# KiCad board Boston-keyboard-V06-1J.kicad_pcb (continued)
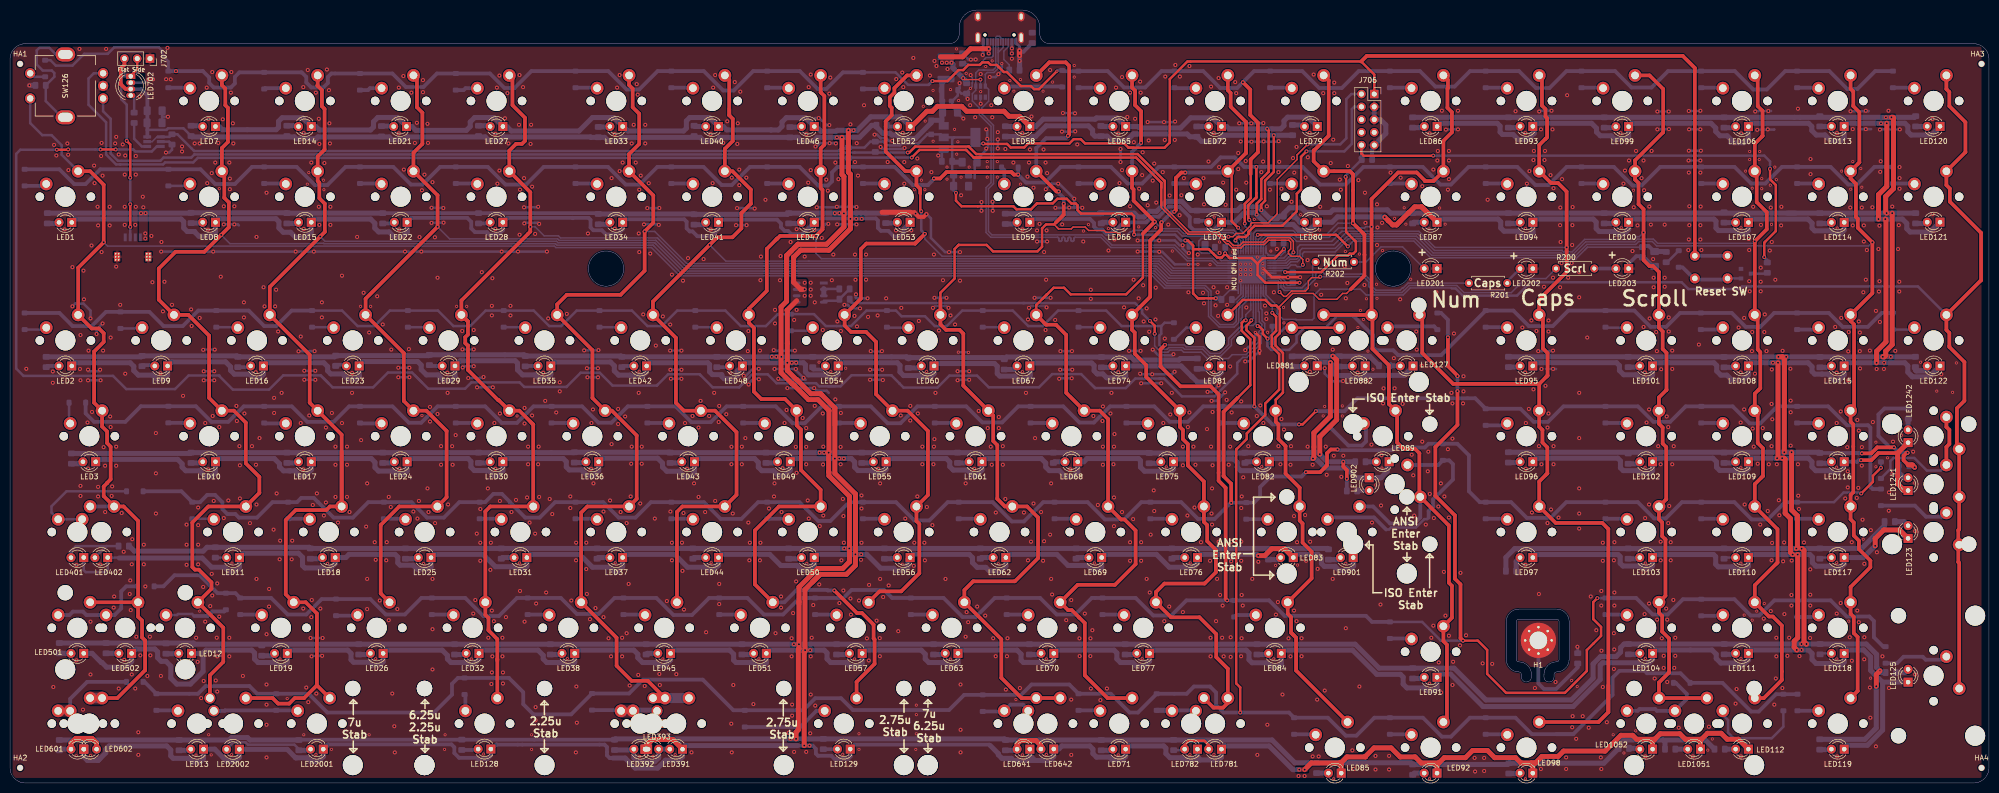
[diagram p0: board, top side]
## Routing (per net, layer and track width the routed paths; a pad name or vN(x,y) marks a point on that pad's centre or on a via; arc(x,y) is an arc through that point) (continued)
  vias: v1(156.3,83.58) v1(158,99.47) v1(158,98.16) v1(158,96.88) v1(168.25,112.17) v1(169.35,112.17)
NRST: length 147.9
  Top w0.5: J706.10 268.71,125.16 269.15,124.72 282.95,124.72 v1(282.98,124.75) ; v1(265.55,120.53) 265.65,120.42 265.65,109.58 267.6,107.62 ; 267.6,107.62 267.6,105.78 267.08,105.25 266.37,105.25 265.98,104.86 264.01,104.86 260.73,101.58 v1(253.53,101.58) ; 267.6,107.62 267.27,107.95 ; v1(348.8,104.58) 348.8,107.45 351.1,109.75 351.1,118.9 349.95,120.05 v1(349.95,122.1)
  Bottom w0.3: U701.7 253.24,101.88 v1(253.53,101.58)
  Bottom w0.5: C702.1 265.55,120.78 v1(265.55,120.53) ; R703.1 349.4,103.97 v1(348.8,104.58) ; v1(282.98,124.75) 348.8,124.75 349.95,123.6 v1(349.95,122.1)
  Bottom w0.75: J706.10 268.77,126.78 C702.1 268.48,124.3
NUM_INDICATOR: length 17
  Bottom w0.3: LED201.2 276.88,106.6 272.6,106.6 269.6,103.6 R202.1
RGBLED: length 371.4
  Top w0.5: v1(11.55,125.97) 11.5,125.92 v1(9.3,125.92) ; v1(18,125.97) v1(21,125.97)
  Bottom w0.3: U701.15 248.71,94.34 248.95,94.1 248.95,91.9 249.48,91.38 249.48,90.15 249.45,90.15 248.77,89.47 248.77,87.45 245.95,84.62 245.1,84.62 244.45,83.97
  Bottom w0.5: 80.49,81.06 81.9,79.65 ; 110.62,78.75 110.72,78.85 ; 110.62,78.75 113.45,81.57 117.25,81.57 119.8,79.03 128.59,79.03 ; 110.62,78.75 102.22,78.75 101.32,79.65 91.72,79.65 90.49,78.41 83.14,78.41 79.94,81.61 75.14,81.61 72.19,78.66 64.14,78.66 61.75,81.05 54.32,81.05 51.5,78.22 44.3,78.22 41.6,80.92 41.6,81.03 35.5,81.03 32.8,78.33 23.1,78.33 20.47,80.95 2.67,80.95 1.23,82.4 1.23,125.1 2.05,125.92 v1(9.3,125.92) ; 144.97,78.67 146.05,79.75 ; 144.97,78.67 147.56,81.26 150.64,81.26 152.4,79.5 160.25,79.5 160.88,78.88 162.73,78.88 ; 144.97,78.67 139.7,78.67 137.1,81.28 ; 175.22,81.08 167.32,81.08 165.12,78.88 162.73,78.88 ; 175.22,81.08 176.82,79.47 176.82,79.45 177.65,78.62 184.4,78.62 186.78,81.01 192.27,81.01 194.6,78.67 204.59,78.67 207.22,81.31 212.97,81.31 215.75,78.53 ; 175.22,81.08 175.31,80.99 ; 228.55,80.42 228.85,80.42 ; 228.55,80.42 223.75,80.42 221.85,78.53 215.75,78.53 ; 228.55,80.42 229.45,80.42 233,76.88 239.5,76.88 244,81.38 244,83.53 244.45,83.97 ; 162.73,78.88 164,78.88 ; 29.92,126.53 U705.3 29.18,126.58 28.17,125.58 24.9,125.58 24.5,125.97 v1(21,125.97) 21.65,125.97 ; 128.59,79.03 130.85,81.28 137.1,81.28 ; 128.59,79.03 128.8,79.23 ; 137.1,81.28 137.38,80.99 ; 215.75,78.53 214.8,79.47 ; 61.78,81.02 63.38,79.42 ; v1(11.55,125.97) v1(18,125.97)
Row1: length 461.4
  Top w0.5: v1(245.5,111.25) 245.5,115.15 246.68,116.33 246.68,121.11 ; v2(208.16,141.56) 205.18,138.57 205.18,138.56 204.6,137.97 203.6,137.97 203,138.57 201,138.57 198.2,141.38 197.6,141.38 196.55,142.43 ; 196.55,142.43 196.18,142.8 194.97,142.8 194.48,143.28 193.33,143.28 192.84,142.8 190.54,142.8 189.5,141.76 188.59,141.76 186.4,139.57 v1(183.4,139.57) ; 196.55,142.43 196.8,142.18
  Top w0.75: v1(245.14,139.34) 246.6,137.88 246.6,132.82 248.12,131.3 248.12,125.42 246.68,123.98 246.68,121.11 ; 32.98,141.56 v1(32.99,141.56)
  Bottom w0.3: U701.41 246.21,110.09 245.5,110.8 v1(245.5,111.25)
  Bottom w0.5: D126.1 8.02,143.72 9.1,142.65 12.4,142.65 14.75,145 19.42,145 ; v2(208.16,141.56) 208.31,141.7 D58.1 ; 31.48,143.5 31.48,142.2 ; 31.48,143.5 D7.1 ; 31.48,143.5 30.25,144.72 30.25,145.62 29.6,146.28 20.7,146.28 19.42,145 ; 19.42,145 19.22,145 ; 182.65,138.82 183,139.18 ; 182.65,138.82 178.55,138.82 176.07,141.31 D52.1 ; 182.65,138.82 v1(183.4,139.57)
  Bottom w0.75: 209.4,141.55 212.44,141.55 D65.1 218.24,141.56 221.5,138.3 225.7,138.3 228.96,141.56 D72.1 237.24,141.56 240.6,138.2 244,138.2 v1(245.14,139.34) 247.36,141.56 D79.1 256.94,141.56 260.3,138.2 264.8,138.2 268.16,141.56 D86.1 280.34,141.56 283.42,138.48 287.23,138.48 290.3,141.56 D93.1 300.04,141.56 303.4,138.2 306.1,138.2 309.46,141.56 D99.1 319.14,141.56 322.4,138.3 326.4,138.3 329.66,141.56 D106.1 342.94,141.56 346.6,137.9 349.3,137.9 352.96,141.56 D113.1 361.74,141.56 365.3,138 367.3,138 370.86,141.56 D120.1 ; D52.1 165.61,141.31 162.3,138 160.6,138 157.04,141.56 D46.1 147.76,141.56 143.9,137.7 141.8,137.7 137.94,141.56 D40.1 128.76,141.56 125.1,137.9 122.6,137.9 118.94,141.56 D33.1 103.66,141.56 100.3,138.2 98.3,138.2 95.41,141.09 D27.1 84.88,141.09 82.2,138.4 78.7,138.4 76.01,141.09 D21.1 63.89,141.09 63.2,140.4 63.2,139.2 62.3,138.3 59.9,138.3 58.9,139.3 58.9,140.4 57.99,141.31 D14.1 45.59,141.31 44.7,140.41 44.7,139.1 43.9,138.3 40.5,138.3 39.6,139.2 39.6,140.3 38.34,141.56 D7.1
Row2: length 443.8
  Top w0.5: v1(247.81,122.51) 247.81,117.39 ; 247.81,117.39 247.81,116.49 246.2,114.88 246.2,112.17 v1(246.4,111.97) ; 247.81,117.39 247.81,116.26
  Top w0.75: v1(183.7,120.2) 184.93,120.2 186.2,121.47 199.1,121.47 ; 199.1,121.47 199.6,120.97 v1(200.45,120.97) ; 199.1,121.47 199.3,121.28
  Bottom w0.3: 247.59,122.42 247.5,122.51 ; U701.42 246.71,111.56
  Bottom w0.5: v1(246.4,111.97) 246.4,111.88 246.71,111.56
  Bottom w0.75: 164.54,122.51 163.44,121.41 163.44,119.64 162.6,118.8 160.7,118.8 156.99,122.51 D47.1 147.11,122.51 143.5,118.9 141.5,118.9 137.89,122.51 D41.1 128.71,122.51 125.2,119 122.4,119 118.89,122.51 D34.1 106.11,122.51 102.6,119 98.5,119 94.99,122.51 D28.1 85.51,122.51 82,119 79.7,119 76.19,122.51 D22.1 66.71,122.51 63.1,118.9 60.6,118.9 56.99,122.51 D15.1 48.11,122.51 44.7,119.1 40.8,119.1 37.86,122.03 D8.1 17.94,122.03 15,119.09 12.75,119.09 9.81,122.03 D1.1 ; 164.54,122.51 D53.1 175.89,122.51 179.5,118.9 182.52,118.9 182.52,118.92 183.7,120.1 v1(183.7,120.2) ; 164.54,122.51 166.31,122.51 ; v1(200.45,120.97) D59.1 ; 200.45,120.95 202,119.4 205.8,119.4 208.91,122.51 D66.1 218.89,122.51 222.2,119.2 225.1,119.2 228.41,122.51 D73.1 238.81,122.51 240.7,124.4 243.5,124.4 245.39,122.51 v1(247.81,122.51) D80.1 256.99,122.51 260.5,119 265.6,119 269.11,122.51 D87.1 280.89,122.51 284.4,119 286.5,119 290.01,122.51 D94.1 299.69,122.51 303.3,118.9 305.9,118.9 309.51,122.51 D100.1 318.89,122.51 322.6,118.8 324.4,118.8 328.11,122.51 D107.1 342.89,122.51 346.2,119.2 349,119.2 352.31,122.51 D114.1 361.99,122.51 365.5,119 367.2,119 370.71,122.51 D121.1
Row3: length 446.3
  Top w0.5: v1(250.04,88.36) 249.1,89.3 249.1,90.08 248.32,90.86 v1(248.06,90.86)
  Bottom w0.3: 240.73,84.91 240.87,85.05 ; 240.73,84.91 242.85,87.03 242.85,88.17 245.65,90.97 247.2,90.97 247.71,91.48 ; 240.73,84.91 238.46,84.91 237.11,86.25 233.52,86.25 233.2,86.58 230.4,86.58 230.12,86.3 230.12,86.25 229.32,86.25 228.53,87.05 ; v1(248.06,90.86) 247.71,91.2 247.71,91.48 ; 247.71,91.48 U701.17
  Bottom w0.5: 267.22,92.76 263.79,92.76 261.66,90.63 257.45,90.63 255.8,88.98 255.8,87.59 254.33,86.12 250.75,86.12 249.99,86.89 249.99,88.3 v1(250.04,88.36) 250.12,88.36 251.02,89.25 D88.1 ; 228.53,87.05 228.53,88.95 228.9,89.33 228.9,90.86 ; 228.9,90.86 229.56,91.52 D81.1 ; 228.9,90.86 221.03,90.86 217.95,93.94 D74.1 208.39,93.94 205.31,90.86 202.45,90.86 199.37,93.94 D67.1 189.34,93.94 186.26,90.86 183.88,90.86 181.93,92.81 177.27,92.81 176.14,93.94 D60.1 170.29,93.94 167.21,90.86 162.22,90.86 159.85,93.22 152.65,93.22 150.28,90.86 145.3,90.86 142.22,93.94 D48.1 132.66,93.94 129.59,90.86 126.73,90.86 123.65,93.94 D42.1 112.66,93.94 109.58,90.86 107.2,90.86 104.12,93.94 D35.1 94.56,93.94 91.49,90.86 88.15,90.86 85.07,93.94 D29.1 75.51,93.94 72.44,90.86 69.1,90.86 66.02,93.94 D23.1
  Bottom w0.75: 267.22,92.76 271,88.98 271,86.65 271.61,86.04 275.04,86.04 276,85.07 284.55,85.07 D95.1 298.91,93.94 301.99,90.86 306.75,90.86 309.83,93.94 D101.1 322.96,93.94 326.2,90.7 329.3,90.7 332.06,93.46 D108.1 342.34,93.46 345.1,90.7 348,90.7 350.76,93.46 D115.1 361.64,93.46 364.4,90.7 369.4,90.7 372.16,93.46 D122.1 ; D23.1 55.99,93.94 52.91,90.86 50.53,90.86 47.45,93.94 D16.1 37.42,93.94 34.34,90.86 30.53,90.86 27.7,93.68 D9.1 19.06,93.68 16.24,90.86 12.43,90.86 9.83,93.46 D2.1
Row4: length 441
  Top w0.5: v1(259.64,73.93) 257.01,71.3 v1(256.3,71.3) ; v1(247.41,74.89) 247.41,88.51 245.85,90.08 245.85,90.92 246.8,91.88 v1(246.8,92)
  Bottom w0.3: v1(246.8,92) 247.21,92.41 U701.18
  Bottom w0.75: D123.1 370.35,58.45 369.9,58.9 369.9,70.67 369.44,71.14 365.26,71.14 361.51,74.89 D116.1 351.39,74.89 348,71.5 345.9,71.5 342.51,74.89 D109.1 333.17,74.89 330.09,71.81 326.75,71.81 323.68,74.89 D102.1 308.88,74.89 305.8,71.81 302.94,71.81 300.34,74.41 D96.1 291.33,76.5 267.9,76.5 265.33,73.93 D89.1 v1(259.64,73.93) ; v1(256.3,71.3) 251,71.3 v1(247.41,74.89) D82.1 237.26,74.89 234.2,71.83 230.57,71.83 227.51,74.89 D75.1 218.73,74.89 215.51,71.67 212.63,71.67 209.41,74.89 D68.1 200.46,74.89 197.26,71.69 193.33,71.69 190.13,74.89 D61.1 180.41,74.89 177.05,71.53 174.51,71.53 171.15,74.89 D55.1 161.38,74.89 158.02,71.53 155.61,71.53 152.25,74.89 D49.1 142.47,74.89 139.33,71.75 135.47,71.75 132.33,74.89 D43.1 122.83,74.89 119.58,71.64 116.99,71.64 113.74,74.89 D36.1 104.08,74.89 100.79,71.6 97.76,71.6 94.47,74.89 D30.1 85.01,74.89 81.75,71.63 79.3,71.63 76.04,74.89 D24.1 67.42,74.89 64.34,71.81 59.1,71.81 56.02,74.89 D17.1 46.46,74.89 43.39,71.81 40.05,71.81 36.95,74.91 D10.1 26.01,74.91 22.91,71.81 16.72,71.81 15.03,73.49 15.03,75.84 D3.1
Row5: length 457.1
  Top w0.5: v1(368.08,57.56) 370.4,59.88 370.4,61.08 v1(372,62.67) ; 244.1,76.6 246.6,79.1 246.6,88.22 244.9,89.92 244.9,91.47 245.43,92 v1(245.7,92)
  Top w0.75: v1(257.67,61.8) 260.5,61.8 261.86,63.16 261.86,65.57 262.6,66.31 v1(263.94,66.31) ; v1(242.8,55.7) 242.8,59.5 241.3,61 241.3,73.8 244.1,76.6
  Bottom w0.3: U701.19 246.71,94.11 245.7,93.1 v1(245.7,92)
  Bottom w0.5: v1(372,62.67) D124.1 ; v1(368.08,57.56) 367.89,57.75 364.57,57.75 362.66,55.84 D117.1
  Bottom w0.75: v1(263.94,66.31) 264.08,66.17 274.77,66.17 275.3,66.7 281.3,66.7 282.05,67.45 D90.1 287.77,67.45 290.08,65.14 290.08,58 292.24,55.84 D97.1 298.46,55.84 301.6,52.7 306.3,52.7 309.44,55.84 D103.1 323.66,55.84 326.9,52.6 329.2,52.6 332.44,55.84 D110.1 342.86,55.84 346.3,52.4 349.5,52.4 352.94,55.84 D117.1 ; D4.1 34.08,58 D11.1 37.76,55.84 39.2,57.28 40.77,57.28 42.21,55.84 42.21,54.46 43.2,53.47 44.8,53.47 45.52,52.76 49.1,52.76 52.18,55.84 D18.1 57.06,55.84 57.9,56.67 60.4,56.67 61.24,55.84 61.26,55.84 64.34,52.76 68.15,52.76 71.23,55.84 D25.1 79.84,55.84 82.91,52.76 86.25,52.76 89.33,55.84 D31.1 94.46,55.84 96.1,57.47 97.8,57.47 99.36,55.91 99.36,55.84 102.44,52.76 105.3,52.76 108.38,55.84 D37.1 117.94,55.84 121.01,52.76 124.35,52.76 127.43,55.84 D44.1 137.96,55.84 141.3,52.5 145.4,52.5 148.74,55.84 D50.1 156.96,55.84 160.7,52.1 163.1,52.1 166.84,55.84 D56.1 176.16,55.84 179.8,52.2 182.8,52.2 186.44,55.84 D62.1 195.36,55.84 199.2,52 201.6,52 205.44,55.84 D69.1 214.26,55.84 217.7,52.4 221.5,52.4 224.94,55.84 D76.1 232.86,55.84 236.2,52.5 239.5,52.5 242.75,55.75 D83.1 247.35,55.75 248.55,56.95 248.55,58.84 250.65,60.94 256.81,60.94 v1(257.67,61.8)
Row6: length 572.3
  Top w0.5: v1(315.6,36.75) 314.8,35.95 314.8,32.57 316.35,31.03 316.35,29.25 313.52,26.42 313.52,22.28 309.16,17.91 297.47,17.91 293.7,21.69 293.7,26.45 291.85,28.3 v1(288.9,28.3)
  Top w0.75: v1(288.9,28.3) 288.4,28.8 288.4,39.5 287.3,40.6 287.3,53.2 283.4,57.1 283.4,66.8 287.8,71.2 v1(287.8,77.9) ; v1(241.99,36.31) 241.7,36.6 241.7,58.7 240.3,60.1 240.3,77.29 238.72,78.87 232.73,78.87 228.75,82.85 228.75,86.22 v1(229.64,87.11) ; v1(285.9,88.6) 285.9,82.9 287.8,81 v1(287.8,80.9)
  Bottom w0.3: 242.3,88.42 242.3,87.17 240.53,85.41 238.64,85.41 237.31,86.73 233.84,86.73 233.46,87.11 v1(229.64,87.11) ; 242.3,88.42 244.98,91.09 244.98,91.56 244.77,91.77 244.77,92.31 245,92.55 245,94.95 246.21,96.16 U701.20 ; 242.3,88.42 244.5,90.62
  Bottom w0.5: D91.1 280.78,32.02 284.5,28.3 v1(288.9,28.3) ; v1(315.6,36.75) 317.19,36.75 D104.1
  Bottom w0.75: v1(287.8,80.9) v1(287.8,77.9) ; D104.1 323.31,36.79 326.6,33.5 329.6,33.5 332.63,36.53 D111.1 342.87,36.53 346.1,33.3 347.8,33.3 350.81,36.31 D118.1 361.99,36.31 365.2,33.1 369.7,33.1 370.6,32.2 370.6,28.97 372.46,27.11 D125.1 ; v1(285.9,88.6) 285.9,92.1 284.55,93.45 D127.1 ; D91.1 270.81,32.02 269.6,33.23 253.41,33.23 250.33,36.31 D84.1 v1(241.99,36.31) 233.91,36.31 230.9,33.3 227.3,33.3 223.81,36.79 D77.1 215.75,36.79 215.74,36.8 215.1,36.8 211.8,33.5 208.1,33.5 204.81,36.79 D70.1 195.79,36.79 192,33 189.4,33 185.61,36.79 D63.1 175.39,36.79 173.8,38.38 167.3,38.38 165.71,36.79 D57.1 156.99,36.79 153.7,33.5 149.9,33.5 146.61,36.79 D51.1 138.99,36.79 135.6,33.4 131.9,33.4 128.51,36.79 D45.1 120.19,36.79 117,33.6 112.7,33.6 109.51,36.79 D38.1 100.79,36.79 97.2,33.2 94.1,33.2 90.51,36.79 D32.1 81.79,36.79 78.5,33.5 74.7,33.5 71.64,36.56 D26.1 61.97,36.56 58.9,33.5 55.2,33.5 51.91,36.79 D19.1 44.81,37.74 D12.1 41.26,37.74 37.7,41.3 32.7,41.3 30.5,39.1 D5.1
